# KiCad board Lime_RFE.kicad_pcb (continued)
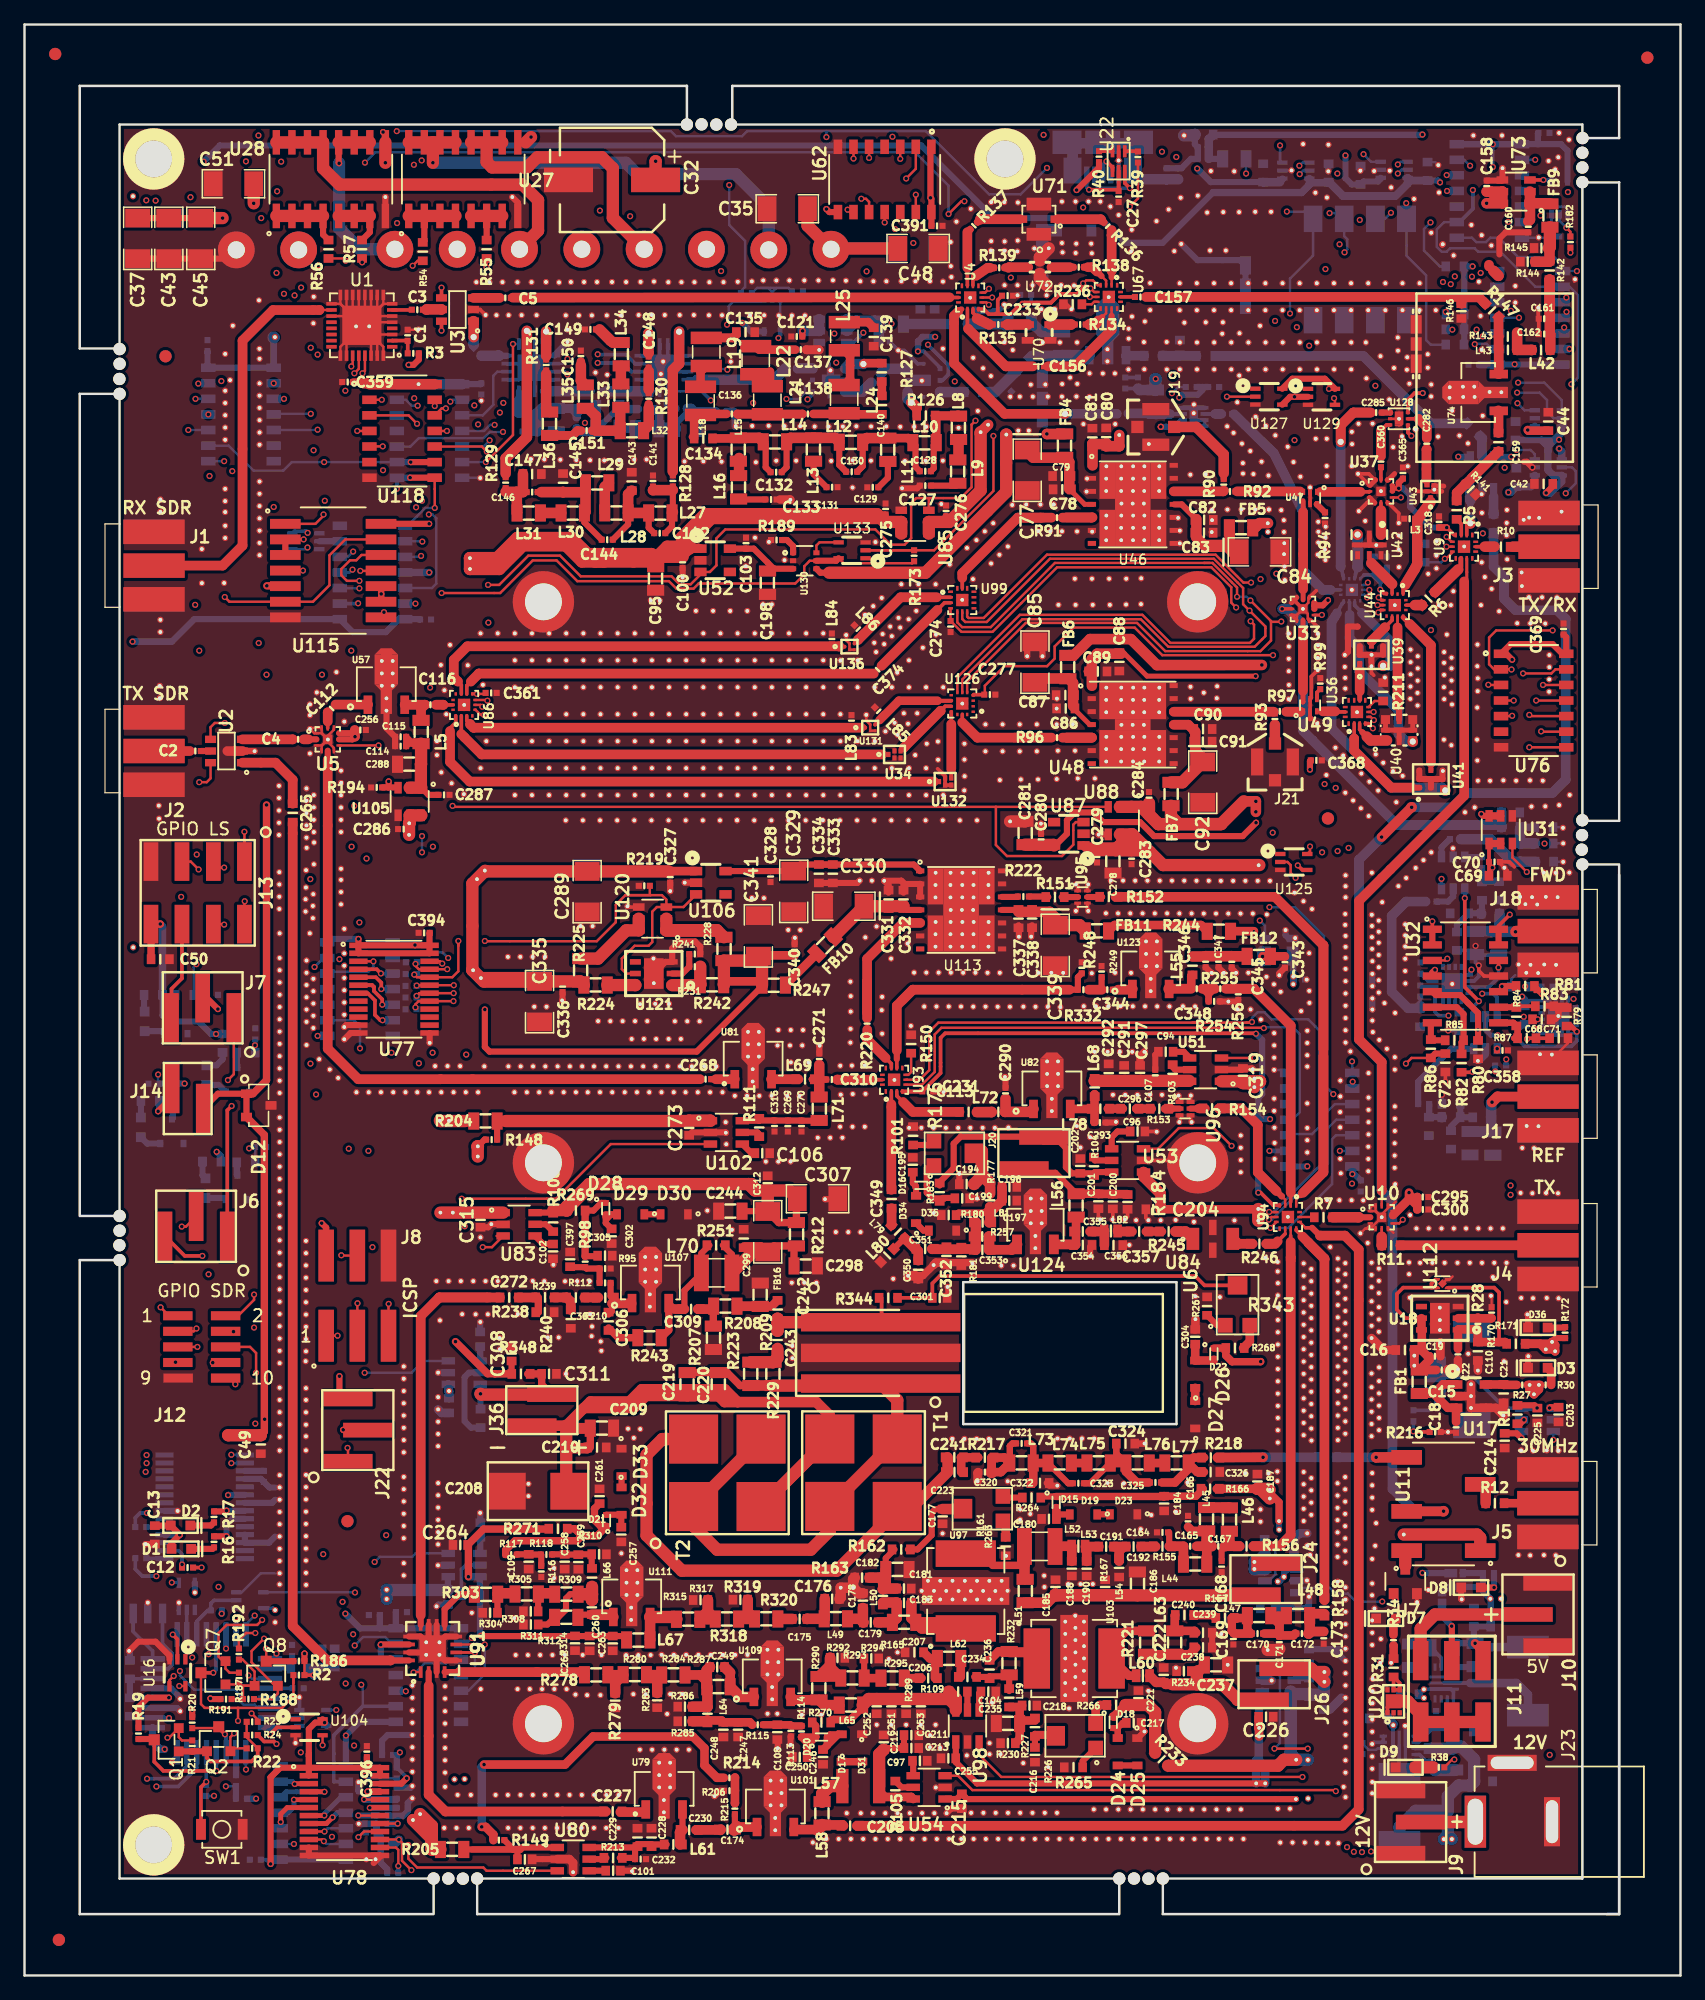
[diagram p0: board, top side]
## Nets (continued)
GND_VIA#1342.1 GND_VIA#1343.1 GND_VIA#1344.1 GND_VIA#1345.1 GND_VIA#1346.1 GND_VIA#1347.1 GND_VIA#1348.1 GND_VIA#1349.1 GND_VIA#1350.1 GND_VIA#1351.1 GND_VIA#1352.1 GND_VIA#1353.1 GND_VIA#1354.1 GND_VIA#1355.1 GND_VIA#1356.1 GND_VIA#1357.1 GND_VIA#1358.1 GND_VIA#1359.1 GND_VIA#1360.1 GND_VIA#1361.1 GND_VIA#1362.1 GND_VIA#1363.1 GND_VIA#1364.1 GND_VIA#1365.1 GND_VIA#1366.1 GND_VIA#1367.1 GND_VIA#1368.1 GND_VIA#1369.1 GND_VIA#1370.1 GND_VIA#1371.1 GND_VIA#1372.1 GND_VIA#1373.1 GND_VIA#1374.1 GND_VIA#1375.1 GND_VIA#1376.1 GND_VIA#1377.1 GND_VIA#1378.1 GND_VIA#1379.1 GND_VIA#1380.1 GND_VIA#1381.1 GND_VIA#1382.1 GND_VIA#1383.1 GND_VIA#1384.1 GND_VIA#1385.1 GND_VIA#1386.1 GND_VIA#1387.1 GND_VIA#1388.1 GND_VIA#1389.1 GND_VIA#1390.1 GND_VIA#1391.1 GND_VIA#1392.1 GND_VIA#1393.1 GND_VIA#1394.1 GND_VIA#1395.1 GND_VIA#1396.1 GND_VIA#1397.1 GND_VIA#1398.1 GND_VIA#1399.1 GND_VIA#1400.1 GND_VIA#1401.1 GND_VIA#1402.1 GND_VIA#1403.1 GND_VIA#1404.1 GND_VIA#1405.1 GND_VIA#1406.1 GND_VIA#1407.1 GND_VIA#1408.1 GND_VIA#1409.1 GND_VIA#1410.1 GND_VIA#1411.1 GND_VIA#1412.1 GND_VIA#1413.1 GND_VIA#1414.1 GND_VIA#1415.1 GND_VIA#1416.1 GND_VIA#1417.1 GND_VIA#1418.1 GND_VIA#1419.1 GND_VIA#1420.1 GND_VIA#1421.1 GND_VIA#1422.1 GND_VIA#1423.1 GND_VIA#1424.1 GND_VIA#1425.1 GND_VIA#1426.1 GND_VIA#1427.1 GND_VIA#1428.1 GND_VIA#1429.1 GND_VIA#1430.1 GND_VIA#1431.1 GND_VIA#1432.1 GND_VIA#1433.1 GND_VIA#1434.1 GND_VIA#1435.1 GND_VIA#1436.1 GND_VIA#1437.1 GND_VIA#1438.1 GND_VIA#1439.1 GND_VIA#1440.1 GND_VIA#1441.1 GND_VIA#1442.1 GND_VIA#1443.1 GND_VIA#1444.1 GND_VIA#1445.1 GND_VIA#1446.1 GND_VIA#1447.1 GND_VIA#1448.1 GND_VIA#1449.1 GND_VIA#1450.1 GND_VIA#1451.1 GND_VIA#1452.1 GND_VIA#1453.1 GND_VIA#1454.1 GND_VIA#1455.1 GND_VIA#1456.1 GND_VIA#1457.1 GND_VIA#1458.1 GND_VIA#1459.1 GND_VIA#1460.1 GND_VIA#1461.1 GND_VIA#1462.1 GND_VIA#1463.1 GND_VIA#1464.1 GND_VIA#1465.1 GND_VIA#1466.1 GND_VIA#1467.1 GND_VIA#1468.1 GND_VIA#1469.1 GND_VIA#1470.1 GND_VIA#1471.1 GND_VIA#1472.1 GND_VIA#1473.1 GND_VIA#1474.1 GND_VIA#1475.1 GND_VIA#1476.1 GND_VIA#1477.1 GND_VIA#1478.1 GND_VIA#1479.1 GND_VIA#1480.1 GND_VIA#1481.1 GND_VIA#1482.1 GND_VIA#1483.1 GND_VIA#1484.1 GND_VIA#1485.1 GND_VIA#1486.1 GND_VIA#1487.1 GND_VIA#1488.1 GND_VIA#1489.1 GND_VIA#1490.1 GND_VIA#1491.1 GND_VIA#1492.1 GND_VIA#1493.1 GND_VIA#1494.1 GND_VIA#1495.1 GND_VIA#1496.1 GND_VIA#1497.1 GND_VIA#1498.1 GND_VIA#1499.1 GND_VIA#1500.1 GND_VIA#1501.1 GND_VIA#1502.1 GND_VIA#1503.1 GND_VIA#1504.1 GND_VIA#1505.1 GND_VIA#1506.1 GND_VIA#1507.1 GND_VIA#1508.1 GND_VIA#1509.1 GND_VIA#1510.1 GND_VIA#1511.1 GND_VIA#1512.1 GND_VIA#1513.1 GND_VIA#1514.1 GND_VIA#1515.1 GND_VIA#1516.1 GND_VIA#1517.1 GND_VIA#1518.1 GND_VIA#1519.1 GND_VIA#1520.1 GND_VIA#1521.1 GND_VIA#1522.1 GND_VIA#1523.1 GND_VIA#1524.1 GND_VIA#1525.1 GND_VIA#1526.1 GND_VIA#1527.1 GND_VIA#1528.1 GND_VIA#1529.1 GND_VIA#1530.1 GND_VIA#1531.1 GND_VIA#1532.1 GND_VIA#1533.1 GND_VIA#1534.1 GND_VIA#1535.1 GND_VIA#1536.1 GND_VIA#1537.1 GND_VIA#1538.1 GND_VIA#1539.1 GND_VIA#1540.1 GND_VIA#1541.1 GND_VIA#1542.1 GND_VIA#1543.1 GND_VIA#1544.1 GND_VIA#1545.1 GND_VIA#1546.1 GND_VIA#1547.1 GND_VIA#1548.1 GND_VIA#1549.1 GND_VIA#1550.1 GND_VIA#1551.1 GND_VIA#1552.1 GND_VIA#1553.1 GND_VIA#1554.1 GND_VIA#1555.1 GND_VIA#1556.1 GND_VIA#1557.1 GND_VIA#1558.1 GND_VIA#1559.1 GND_VIA#1560.1 GND_VIA#1561.1 GND_VIA#1562.1 GND_VIA#1563.1 GND_VIA#1564.1 GND_VIA#1565.1 GND_VIA#1566.1 GND_VIA#1567.1 GND_VIA#1568.1 GND_VIA#1569.1 GND_VIA#1570.1 GND_VIA#1571.1 GND_VIA#1572.1 GND_VIA#1573.1 GND_VIA#1574.1 GND_VIA#1575.1 GND_VIA#1576.1 GND_VIA#1577.1 GND_VIA#1578.1 GND_VIA#1579.1 GND_VIA#1580.1 GND_VIA#1581.1 GND_VIA#1582.1 GND_VIA#1583.1 GND_VIA#1584.1 GND_VIA#1585.1 GND_VIA#1586.1 GND_VIA#1587.1 GND_VIA#1588.1 GND_VIA#1589.1 GND_VIA#1590.1 GND_VIA#1591.1 GND_VIA#1592.1 GND_VIA#1593.1 GND_VIA#1594.1 GND_VIA#1595.1 GND_VIA#1596.1 GND_VIA#1597.1 GND_VIA#1598.1 GND_VIA#1599.1 GND_VIA#1600.1 GND_VIA#1601.1 GND_VIA#1602.1 GND_VIA#1603.1 GND_VIA#1604.1 GND_VIA#1605.1 GND_VIA#1606.1 GND_VIA#1607.1 GND_VIA#1608.1 GND_VIA#1609.1 GND_VIA#1610.1 GND_VIA#1611.1 GND_VIA#1612.1 GND_VIA#1613.1 GND_VIA#1614.1 GND_VIA#1615.1 GND_VIA#1616.1 GND_VIA#1617.1 GND_VIA#1618.1 GND_VIA#1619.1 GND_VIA#1620.1 GND_VIA#1621.1 GND_VIA#1622.1 GND_VIA#1623.1 GND_VIA#1624.1 GND_VIA#1625.1 GND_VIA#1626.1 GND_VIA#1627.1 GND_VIA#1628.1 GND_VIA#1629.1 GND_VIA#1630.1 GND_VIA#1631.1 GND_VIA#1632.1 GND_VIA#1633.1 GND_VIA#1634.1 GND_VIA#1635.1 GND_VIA#1636.1 GND_VIA#1637.1 GND_VIA#1638.1 GND_VIA#1639.1 GND_VIA#1640.1 GND_VIA#1641.1 GND_VIA#1642.1 GND_VIA#1643.1 GND_VIA#1644.1 GND_VIA#1645.1 GND_VIA#1646.1 GND_VIA#1647.1 GND_VIA#1648.1 GND_VIA#1649.1 GND_VIA#1650.1 GND_VIA#1651.1 GND_VIA#1652.1 GND_VIA#1653.1 GND_VIA#1654.1 GND_VIA#1655.1 GND_VIA#1656.1 GND_VIA#1657.1 GND_VIA#1658.1 GND_VIA#1659.1 GND_VIA#1660.1 GND_VIA#1661.1 GND_VIA#1662.1 GND_VIA#1663.1 GND_VIA#1664.1 GND_VIA#1665.1 GND_VIA#1666.1 GND_VIA#1667.1 GND_VIA#1668.1 GND_VIA#1669.1 GND_VIA#1670.1 GND_VIA#1671.1 GND_VIA#1672.1 GND_VIA#1673.1 GND_VIA#1674.1 GND_VIA#1675.1 GND_VIA#1676.1 GND_VIA#1677.1 GND_VIA#1678.1 GND_VIA#1679.1 GND_VIA#1680.1 GND_VIA#1681.1 GND_VIA#1682.1 GND_VIA#1683.1 GND_VIA#1684.1 GND_VIA#1685.1 GND_VIA#1686.1 GND_VIA#1687.1 GND_VIA#1688.1 GND_VIA#1689.1 GND_VIA#1690.1 GND_VIA#1691.1 GND_VIA#1692.1 GND_VIA#1693.1 GND_VIA#1694.1 GND_VIA#1695.1 GND_VIA#1696.1 GND_VIA#1697.1 GND_VIA#1698.1 GND_VIA#1699.1 GND_VIA#1700.1 GND_VIA#1701.1 GND_VIA#1702.1 GND_VIA#1703.1 GND_VIA#1704.1 GND_VIA#1705.1 GND_VIA#1706.1 GND_VIA#1707.1 GND_VIA#1708.1 GND_VIA#1709.1 GND_VIA#1710.1 GND_VIA#1711.1 GND_VIA#1712.1 GND_VIA#1713.1 GND_VIA#1714.1 GND_VIA#1715.1 GND_VIA#1716.1 GND_VIA#1717.1 GND_VIA#1718.1 GND_VIA#1719.1 GND_VIA#1720.1 GND_VIA#1721.1 GND_VIA#1722.1 GND_VIA#1723.1 GND_VIA#1724.1 GND_VIA#1725.1 GND_VIA#1726.1 GND_VIA#1727.1 GND_VIA#1728.1 GND_VIA#1729.1 GND_VIA#1730.1 GND_VIA#1731.1 GND_VIA#1732.1 GND_VIA#1733.1 GND_VIA#1734.1 GND_VIA#1735.1 GND_VIA#1736.1 GND_VIA#1737.1 GND_VIA#1738.1 GND_VIA#1739.1 GND_VIA#1740.1 GND_VIA#1741.1 GND_VIA#1742.1 GND_VIA#1743.1 GND_VIA#1744.1 GND_VIA#1745.1 GND_VIA#1746.1 GND_VIA#1747.1 GND_VIA#1748.1 GND_VIA#1749.1 GND_VIA#1750.1 GND_VIA#1751.1 GND_VIA#1752.1 GND_VIA#1753.1 GND_VIA#1754.1 GND_VIA#1755.1 GND_VIA#1756.1 GND_VIA#1757.1 GND_VIA#1758.1 GND_VIA#1759.1 GND_VIA#1760.1 GND_VIA#1761.1 GND_VIA#1762.1 GND_VIA#1763.1 GND_VIA#1764.1 GND_VIA#1765.1 GND_VIA#1766.1 GND_VIA#1767.1 GND_VIA#1768.1 GND_VIA#1769.1 GND_VIA#1770.1 GND_VIA#1771.1 GND_VIA#1772.1 GND_VIA#1773.1 GND_VIA#1774.1 GND_VIA#1775.1 GND_VIA#1776.1 GND_VIA#1777.1 GND_VIA#1778.1 GND_VIA#1779.1 GND_VIA#1780.1 GND_VIA#1781.1 GND_VIA#1782.1 GND_VIA#1783.1 GND_VIA#1784.1 GND_VIA#1785.1 GND_VIA#1786.1 GND_VIA#1787.1 GND_VIA#1788.1 GND_VIA#1789.1 GND_VIA#1790.1 GND_VIA#1791.1 GND_VIA#1792.1 GND_VIA#1793.1 GND_VIA#1794.1 GND_VIA#1795.1 GND_VIA#1796.1 GND_VIA#1797.1 GND_VIA#1798.1 GND_VIA#1799.1 GND_VIA#1800.1 GND_VIA#1801.1 GND_VIA#1802.1 GND_VIA#1803.1 GND_VIA#1804.1 GND_VIA#1805.1 GND_VIA#1806.1 GND_VIA#1807.1 GND_VIA#1808.1 GND_VIA#1809.1 GND_VIA#1810.1 GND_VIA#1811.1 GND_VIA#1812.1 GND_VIA#1813.1 GND_VIA#1814.1 GND_VIA#1815.1 GND_VIA#1816.1 GND_VIA#1817.1 GND_VIA#1818.1 GND_VIA#1819.1 GND_VIA#1820.1 GND_VIA#1821.1 GND_VIA#1822.1 GND_VIA#1823.1 GND_VIA#1825.1 GND_VIA#1826.1 GND_VIA#1827.1 GND_VIA#1828.1 GND_VIA#1829.1 GND_VIA#1830.1 GND_VIA#1831.1 GND_VIA#1832.1 GND_VIA#1833.1 GND_VIA#1834.1 GND_VIA#1835.1 GND_VIA#1836.1 GND_VIA#1837.1 GND_VIA#1838.1 GND_VIA#1839.1 GND_VIA#1840.1 GND_VIA#1841.1 GND_VIA#1842.1 GND_VIA#1843.1 GND_VIA#1844.1 GND_VIA#1845.1 GND_VIA#1846.1 GND_VIA#1847.1 GND_VIA#1848.1 GND_VIA#1849.1 GND_VIA#1850.1 GND_VIA#1851.1 GND_VIA#1852.1 GND_VIA#1853.1 GND_VIA#1854.1 GND_VIA#1855.1 GND_VIA#1856.1 GND_VIA#1857.1 GND_VIA#1858.1 GND_VIA#1859.1 GND_VIA#1860.1 GND_VIA#1861.1 GND_VIA#1862.1 GND_VIA#1863.1 GND_VIA#1864.1 GND_VIA#1865.1 GND_VIA#1866.1 GND_VIA#1867.1 GND_VIA#1868.1 GND_VIA#1869.1 GND_VIA#1870.1 GND_VIA#1871.1 GND_VIA#1872.1 GND_VIA#1873.1 GND_VIA#1874.1 GND_VIA#1875.1 GND_VIA#1876.1 GND_VIA#1877.1 GND_VIA#1878.1 GND_VIA#1879.1 GND_VIA#1880.1 GND_VIA#1881.1 GND_VIA#1882.1 GND_VIA#1883.1 GND_VIA#1884.1 GND_VIA#1885.1 GND_VIA#1886.1 GND_VIA#1887.1 GND_VIA#1888.1 GND_VIA#1891.1 GND_VIA#1892.1 GND_VIA#1893.1 GND_VIA#1894.1 GND_VIA#1895.1 GND_VIA#1896.1 GND_VIA#1897.1 GND_VIA#1898.1 GND_VIA#1899.1 GND_VIA#1900.1 GND_VIA#1901.1 GND_VIA#1902.1 GND_VIA#1903.1 GND_VIA#1904.1 GND_VIA#1905.1 GND_VIA#1906.1 GND_VIA#1907.1 GND_VIA#1908.1 GND_VIA#1909.1 GND_VIA#1910.1 GND_VIA#1911.1 GND_VIA#1912.1 GND_VIA#1913.1 GND_VIA#1914.1 GND_VIA#1915.1 GND_VIA#1916.1 GND_VIA#1917.1 GND_VIA#1918.1 GND_VIA#1919.1 GND_VIA#1920.1 GND_VIA#1924.1 GND_VIA#1925.1 GND_VIA#1926.1 GND_VIA#1927.1 GND_VIA#1928.1 GND_VIA#1929.1 GND_VIA#1930.1 GND_VIA#1931.1 GND_VIA#1932.1 GND_VIA#1933.1 GND_VIA#1934.1 GND_VIA#1935.1 GND_VIA#1936.1 GND_VIA#1937.1 GND_VIA#1938.1 GND_VIA#1939.1 GND_VIA#1940.1 GND_VIA#1941.1 GND_VIA#1942.1 GND_VIA#1943.1 GND_VIA#1944.1 GND_VIA#1945.1 GND_VIA#1946.1 GND_VIA#1947.1 GND_VIA#1948.1 GND_VIA#1949.1 GND_VIA#1950.1 GND_VIA#1951.1 GND_VIA#1952.1 GND_VIA#1953.1 GND_VIA#1954.1 GND_VIA#1955.1 GND_VIA#1956.1 GND_VIA#1957.1 GND_VIA#1958.1 GND_VIA#1959.1 GND_VIA#1960.1 GND_VIA#1961.1 GND_VIA#1962.1 GND_VIA#1963.1 GND_VIA#1964.1 GND_VIA#1965.1 GND_VIA#1966.1 GND_VIA#1967.1 GND_VIA#1968.1 GND_VIA#1969.1 GND_VIA#1970.1 GND_VIA#1971.1 GND_VIA#1972.1 GND_VIA#1973.1 GND_VIA#1974.1 GND_VIA#1975.1 GND_VIA#1976.1 GND_VIA#1977.1 GND_VIA#1978.1 GND_VIA#1979.1 GND_VIA#1980.1 GND_VIA#1981.1 GND_VIA#1982.1 GND_VIA#1983.1 GND_VIA#1984.1 GND_VIA#1985.1 GND_VIA#1986.1 GND_VIA#1987.1 GND_VIA#1988.1 GND_VIA#1989.1 GND_VIA#1990.1 GND_VIA#1991.1 GND_VIA#1992.1 GND_VIA#1993.1 GND_VIA#1994.1 GND_VIA#1995.1 GND_VIA#1996.1 GND_VIA#1997.1 GND_VIA#1998.1 GND_VIA#1999.1 GND_VIA#2000.1 GND_VIA#2001.1 GND_VIA#2002.1 GND_VIA#2003.1 GND_VIA#2004.1 GND_VIA#2005.1 GND_VIA#2006.1 GND_VIA#2007.1 GND_VIA#2008.1 GND_VIA#2009.1 GND_VIA#2010.1 GND_VIA#2011.1 GND_VIA#2012.1 GND_VIA#2013.1 GND_VIA#2014.1 GND_VIA#2015.1 GND_VIA#2016.1 GND_VIA#2017.1 GND_VIA#2018.1 GND_VIA#2019.1 GND_VIA#2020.1 GND_VIA#2021.1 GND_VIA#2022.1 GND_VIA#2023.1 GND_VIA#2024.1 GND_VIA#2025.1 GND_VIA#2026.1 GND_VIA#2027.1 GND_VIA#2028.1 GND_VIA#2029.1 GND_VIA#2030.1 GND_VIA#2031.1 GND_VIA#2032.1 GND_VIA#2033.1 GND_VIA#2034.1 GND_VIA#2035.1 GND_VIA#2036.1 GND_VIA#2037.1 GND_VIA#2038.1 GND_VIA#2039.1 GND_VIA#2040.1 GND_VIA#2041.1 GND_VIA#2042.1 GND_VIA#2043.1 GND_VIA#2044.1 GND_VIA#2045.1 GND_VIA#2046.1 GND_VIA#2047.1 GND_VIA#2048.1 GND_VIA#2049.1 GND_VIA#2050.1 GND_VIA#2051.1 GND_VIA#2052.1 GND_VIA#2053.1 GND_VIA#2054.1 GND_VIA#2055.1 GND_VIA#2056.1 GND_VIA#2057.1 GND_VIA#2058.1 GND_VIA#2059.1 GND_VIA#2060.1 GND_VIA#2061.1 GND_VIA#2062.1 GND_VIA#2063.1 GND_VIA#2064.1 GND_VIA#2065.1 GND_VIA#2066.1 GND_VIA#2067.1 GND_VIA#2068.1 GND_VIA#2069.1 GND_VIA#2070.1 GND_VIA#2071.1 GND_VIA#2072.1 GND_VIA#2073.1 GND_VIA#2074.1 GND_VIA#2075.1 GND_VIA#2076.1 GND_VIA#2077.1 GND_VIA#2078.1 GND_VIA#2079.1 GND_VIA#2080.1 GND_VIA#2081.1 GND_VIA#2082.1 GND_VIA#2083.1 GND_VIA#2084.1 GND_VIA#2085.1 GND_VIA#2086.1 GND_VIA#2087.1 GND_VIA#2088.1 GND_VIA#2089.1 GND_VIA#2090.1 GND_VIA#2091.1 GND_VIA#2092.1 GND_VIA#2093.1 GND_VIA#2094.1 GND_VIA#2095.1 GND_VIA#2096.1 GND_VIA#2097.1 GND_VIA#2098.1 GND_VIA#2099.1 GND_VIA#2100.1 GND_VIA#2101.1 GND_VIA#2102.1 GND_VIA#2103.1 GND_VIA#2104.1 GND_VIA#2105.1 GND_VIA#2106.1 GND_VIA#2107.1 GND_VIA#2108.1 GND_VIA#2109.1 GND_VIA#2110.1 GND_VIA#2111.1 GND_VIA#2112.1 GND_VIA#2113.1 GND_VIA#2114.1 GND_VIA#2115.1 GND_VIA#2116.1 GND_VIA#2117.1 GND_VIA#2118.1 GND_VIA#2119.1 GND_VIA#2120.1 GND_VIA#2121.1 GND_VIA#2122.1 GND_VIA#2123.1 GND_VIA#2124.1 GND_VIA#2125.1 GND_VIA#2126.1 GND_VIA#2127.1 GND_VIA#2128.1 GND_VIA#2129.1 GND_VIA#2130.1 GND_VIA#2131.1 GND_VIA#2132.1 GND_VIA#2133.1 GND_VIA#2134.1 GND_VIA#2135.1 GND_VIA#2136.1 GND_VIA#2137.1 GND_VIA#2138.1 GND_VIA#2139.1 GND_VIA#2140.1 GND_VIA#2141.1 GND_VIA#2142.1 GND_VIA#2143.1 GND_VIA#2144.1 GND_VIA#2145.1 GND_VIA#2146.1 GND_VIA#2147.1 GND_VIA#2148.1 GND_VIA#2149.1 GND_VIA#2150.1 GND_VIA#2151.1 GND_VIA#2152.1 GND_VIA#2153.1 GND_VIA#2154.1 GND_VIA#2155.1 GND_VIA#2156.1 GND_VIA#2157.1 GND_VIA#2158.1 GND_VIA#2159.1 GND_VIA#2160.1 GND_VIA#2161.1 GND_VIA#2162.1 GND_VIA#2163.1 GND_VIA#2164.1 GND_VIA#2165.1 GND_VIA#2166.1 GND_VIA#2167.1 GND_VIA#2168.1 GND_VIA#2169.1 GND_VIA#2170.1 GND_VIA#2171.1 GND_VIA#2172.1 GND_VIA#2173.1 GND_VIA#2174.1 GND_VIA#2175.1 GND_VIA#2176.1 GND_VIA#2177.1 GND_VIA#2178.1 GND_VIA#2179.1 GND_VIA#2180.1 GND_VIA#2181.1 GND_VIA#2182.1 GND_VIA#2183.1 GND_VIA#2184.1 GND_VIA#2185.1 GND_VIA#2186.1 GND_VIA#2187.1 GND_VIA#2188.1 GND_VIA#2189.1 GND_VIA#2190.1 GND_VIA#2191.1 GND_VIA#2192.1 GND_VIA#2193.1 GND_VIA#2194.1 GND_VIA#2195.1 GND_VIA#2196.1 GND_VIA#2197.1 GND_VIA#2198.1 GND_VIA#2199.1 GND_VIA#2200.1 GND_VIA#2201.1 GND_VIA#2202.1 GND_VIA#2203.1 GND_VIA#2204.1 GND_VIA#2205.1 GND_VIA#2206.1 GND_VIA#2207.1 GND_VIA#2208.1 GND_VIA#2209.1 GND_VIA#2210.1 GND_VIA#2211.1 GND_VIA#2212.1 GND_VIA#2213.1 GND_VIA#2214.1 GND_VIA#2215.1 GND_VIA#2216.1 GND_VIA#2217.1 GND_VIA#2218.1 GND_VIA#2219.1 GND_VIA#2220.1 GND_VIA#2221.1 GND_VIA#2222.1 GND_VIA#2223.1 GND_VIA#2224.1 GND_VIA#2225.1 GND_VIA#2226.1 GND_VIA#2227.1 GND_VIA#2228.1 GND_VIA#2229.1 GND_VIA#2230.1 GND_VIA#2231.1 GND_VIA#2232.1 GND_VIA#2233.1 GND_VIA#2234.1 GND_VIA#2235.1 GND_VIA#2236.1 GND_VIA#2237.1 GND_VIA#2238.1 GND_VIA#2239.1 GND_VIA#2240.1 GND_VIA#2241.1 GND_VIA#2242.1 GND_VIA#2243.1 GND_VIA#2244.1 GND_VIA#2245.1 GND_VIA#2246.1 GND_VIA#2247.1 GND_VIA#2248.1 GND_VIA#2249.1 GND_VIA#2250.1 GND_VIA#2251.1 GND_VIA#2252.1 GND_VIA#2253.1 GND_VIA#2254.1 GND_VIA#2255.1 GND_VIA#2256.1 GND_VIA#2257.1 GND_VIA#2258.1 GND_VIA#2259.1 GND_VIA#2260.1 GND_VIA#2261.1 GND_VIA#2262.1 GND_VIA#2263.1 GND_VIA#2264.1 GND_VIA#2265.1 GND_VIA#2266.1 GND_VIA#2267.1 GND_VIA#2268.1 GND_VIA#2269.1 GND_VIA#2270.1 GND_VIA#2271.1 GND_VIA#2272.1 GND_VIA#2273.1 GND_VIA#2274.1 GND_VIA#2275.1 GND_VIA#2276.1 GND_VIA#2277.1 GND_VIA#2278.1 GND_VIA#2279.1 GND_VIA#2280.1 GND_VIA#2281.1 GND_VIA#2282.1 GND_VIA#2283.1 GND_VIA#2284.1 GND_VIA#2285.1 GND_VIA#2286.1 GND_VIA#2287.1 GND_VIA#2288.1 GND_VIA#2289.1 GND_VIA#2290.1 GND_VIA#2291.1 GND_VIA#2292.1 GND_VIA#2293.1 GND_VIA#2294.1 GND_VIA#2295.1 GND_VIA#2296.1 GND_VIA#2297.1 GND_VIA#2298.1 GND_VIA#2299.1 GND_VIA#2300.1 GND_VIA#2301.1 GND_VIA#2302.1 GND_VIA#2303.1 GND_VIA#2304.1 GND_VIA#2305.1 GND_VIA#2306.1 GND_VIA#2307.1 GND_VIA#2308.1 GND_VIA#2309.1 GND_VIA#2310.1 GND_VIA#2311.1 IC1.10 IC2.10 J1.2 J1.3 J1.4 J1.5 J2.2 J2.3 J2.4 J2.5 J3.2 J3.3 J3.4 J3.5 J4.2 J4.3 J4.4 J4.5 J5.2 J5.3 J5.4 J5.5 J8.6 J9.1 J9.3 J10.1 J10.3 J12.9 J13.4 J15.1 J17.2 J17.3 J17.4 J17.5 J18.2 J18.3 J18.4 J18.5 J19.2 J19.3 J19.4 J21.2 J21.3 J21.4 J23.2 L3.2 L37.2 L41.2 L54.2 L80.2 L83.1 L84.1 L85.1 L86.1 P1.1 P1.4 P1.5 Q3.2 Q4.2 Q5.2 Q6.2 R9.2 R26.1 R33.1 R41.2 R42.2 R43.2 R44.2 R45.2 R62.2 R63.2 R64.2 R65.2 R66.2 R70.2 R71.2 R72.2 R76.2 R77.2 R79.1 R80.1 R83.1 R88.1 R94.2 R95.2 R99.2 R101.1 R113.1 R116.1 R120.1 R122.1 R123.1 R124.1 R140.2 R141.1 R144.1 R145.1 R146.1 R150.2 R159.1 R160.1 R163.1 R164.1 R167.2 R169.1 R170.1 R178.2 R180.1 R181.1 R184.2 R185.2 R189.2 R194.1 R195.1 R196.1 R197.1 R198.1 R199.1 R200.1 R201.1 R202.1 R203.1 R206.2 R207.1 R209.1 R211.2 R216.1 R219.1 R230.1 R234.2 R236.2 R238.1 R240.1 R241.1 R248.2 R249.2 R254.2 R256.2 R263.1 R265.1 R267.1 R279.1 R283.1 R285.1 R286.1 R289.2 R292.1 R294.1 R304.1 R308.1 R310.1 R311.1 R314.2 R317.1 R319.1 Ref**. Ref**#2. Ref**#3. Ref**#4. SW1.1 SW2.5 SW2.6 SW2.7 SW2.8 U1.3 U1.5 U1.6 U1.8 U1.9 U1.10 U1.11 U1.12 U1.13 U1.14 U1.15 U1.16 U1.17 U1.19 U1.25 U1.26 U1.30 U1.31 U1.32 U1.33 U2.2 U3.2 U4.15 U5.1 U5.3 U5.4 U5.6 U5.10 U5.12 U6.2 U7.3 U8.2 U9.15 U10.1 U10.3 U10.4 U10.6 U10.10 U10.12 U12.3 U12.5 U12.21 U13.7 U13.18 U13.21 U13.25 U13.26 U14.3 U15.3 U16.3 U17.2 U17.4 U18.3 U18.7 U19.3 U19.4 U19.10 U19.11 U20.2 U20.6 U21.3 U21.4 U21.10 U21.11 U22.2 U23.2 U24.2 U25.2 U26.2 U27.8 U28.8 U29.2 U30.2 U31.4 U32.11 U33.1 U33.3 U33.4 U33.6 U33.10 U33.12 U34.2 U34.3 U34.5 U35.15 U36.15 U37.1 U37.3 U37.4 U37.6 U37.10 U37.12 U39.2 U39.4 U39.5 U39.7 U39.8 U40.2 U40.4 U40.5 U40.7 U40.8 U41.2 U41.4 U41.5 U41.7 U41.8 U42.2 U42.4 U42.5 U42.7 U42.8 U43.2 U43.3 U43.5 U44.15 U45.1 U45.3 U45.4 U45.5 U45.8 U45.9 U46.2 U46.3 U46.6 U46.8 U46.9 U46.10 U46.13 U46.14 U46.15 U47.2 U47.5 U48.2 U48.3 U48.6 U48.8 U48.9 U48.10 U48.13 U48.14 U48.15 U49.2 U49.5 U50.2 U51.2 U52.2 U53.2 U54.2 U55.2 U56.2 U57.2 U58.3 U58.5 U58.8 U58.10 U58.11 U58.13 U58.15 U59.3 U59.5 U59.8 U59.10 U59.11 U59.13 U59.15 U60.7 U61.2 U62.7 U63.2 U64.3 U65.4 U66.2 U66.4 U67.15 U68.7 U69.3 U70.3 U70.4 U71.3 U71.4 U72.1 U72.3 U73.4 U74.2 U74.4 U75.7 U76.7 U77.11 U77.12 U77.13 U78.11 U78.12 U78.13 U79.2 U80.2 U81.2 U82.2 U83.2 U84.2 U84.4 U85.4 U86.15 U87.2 U88.4 U89.7 U90.7 U91.3 U91.5 U91.8 U91.10 U91.11 U91.13 U91.15 U92.7 U93.15 U94.15 U95.1 U95.3 U95.4 U95.6 U96.1 U96.3 U96.4 U96.6 U97.3 U98.2 U99.15 U100.2 U101.2 U102.2 U103.3 U104.3 U105.4 U106.2 U107.2 U108.3 U109.2 U110.2 U111.2 U112.2 U113.2 U113.3 U113.6 U113.8 U113.9 U113.10 U113.13 U113.14 U113.15 U114.3 U115.7 U116.7 U117.7 U118.7 U119.7 U120.4 U121.3 U121.7 U122.4 U123.2 U123.4 U124.2 U125.3 U126.15 U127.3 U128.5 U129.3 U130.2 U131.2 U131.3 U131.5 U132.2 U132.3 U132.5 U133.3 U136.2 U136.3 U136.5 U?.1 U?#2.1 X1.2
VDD_I2C: C33.1 C36.1 C40.1 C44.1 C49.1 D12.1 D12.2 J12.10 J14.2 R24.1 R58.2 R59.2 R60.2 R61.2 R192.1 U23.1 U24.1 U25.1 U26.1
VDDA: C34.1 C38.1 C42.1 C46.1 C50.1 J13.5 J14.1 R48.2 R49.2 R52.2 R53.2 U23.6 U24.6 U25.6 U26.6
/30MHz_RELAY_CTR: U7.2 U12.25
/30MHz_RX: C313.1 U11.7
/30MHz_TX: R8.1 U11.5
/ATTEN0: U1.29 U116.3
/ATTEN1: U1.28 U116.4
/ATTEN2: U1.27 U116.5
/BAND38_TX_ENn: R4.1 R100.1 R173.2 U127.2 U133.2
/Cell/BAND38_RX: C285.2 TRANS_VIA#7.1 U35.1
/Cell/BAND38_TX: C360.2 U37.11
/Cell/BAND38_TXRX: C282.1 U43.4
/Cell/CELL_PREDRIVER/OUT: C116.2 U86.13
/Cell/LNA/IN: C73.1 U35.13
/Cell/LNA_PD_2V5: R89.1 U118.10
/Cell/PA1_CPL: U33.11 U47.4
/Cell/PA1_EN_2V5: U52.3 U85.3 U118.3
/Cell/PA2_CPL: U33.5 U49.6
/Cell/PA2_EN_2V5: U87.3 U88.3 U118.4
/Cell/PA_1_2_3/IN: R96.2 U126.13
/Cell/PA_1_2_3/OUT: U36.13 U49.3
/Cell/PA_1_2_3/VREF: C88.1 C89.1 C280.1 C281.1 U48.1 U87.5
/Cell/PA_7_38/IN: R91.2 U99.13
/Cell/PA_7_38/OUT: U37.2 U47.1
/Cell/PA_7_38/VREF: C80.1 C81.1 GND_VIA#1022.1 GND_VIA#1023.1 U46.1 U130.4
/Cell/PRED_EN_2V5: R194.2 U105.3 U118.5
/Cell/RX: C76.2 TRANS_VIA#13.1 U4.1
/Cell/SW1_V1_2V5: U44.7 U76.10
/Cell/SW1_V2_2V5: U44.6 U76.11
/Cell/SW1_V3_2V5: U44.5 U76.12
/Cell/SW2_CTRL_2V5: U37.7 U76.2 U119.13
/Cell/SW3_V2_2V5: U36.6 U76.4
/Cell/SW3_V3_2V5: U36.5 U76.5
/Cell/SW4_V1_2V5: U35.7 U119.10
/Cell/SW4_V2_2V5: U35.6 U119.12
/Cell/SW4_V3_2V5: U35.5 U119.11
/Cell/SW5_V1_2V5: U86.7 U118.13 U119.2
/Cell/SW5_V2_2V5: U86.6 U118.12
/Cell/SW5_V3_2V5: U86.5 U118.11
/Cell/SW6_V1_2V5: U99.7 U119.5 U126.7
/Cell/SW6_V2_2V5: U99.6 U119.4 U126.6
/Cell/SW6_V3_2V5: U99.5 U119.3 U126.5
/Cell/SW_CPL_CTRL_2V5: U33.7 U76.3
/Cell/TDD_SW_V1: U127.4 U128.1 U129.2
/Cell/TDD_SW_V2: U128.3 U129.4
/Cell/TX: C112.1 U5.11
/Cell/TXRX: R6.2 U44.13
/CPL: R65.1 R68.1 U33.2
/DATA1: U15.4 U116.2
/DATA2: U68.2 U117.13
/DATA3: U60.2 U68.13
/DATA4: U62.13 U118.2
/DATA5: U76.13 U90.2
/DATA_CLK: U16.4 U60.8 U62.8 U68.8 U75.8 U76.8 U89.8 U90.8 U92.8 U116.8 U117.8 U118.8 U119.8
/DATA_RESET: U14.4 U60.9 U62.9 U68.9 U75.9 U76.9 U89.9 U90.9 U92.9 U116.9 U117.9 U118.9 U119.9
/FAN/FAN_POWER_5V: C225.1 P1.2 R1.2 U110.6
/FAN_EN: U89.10 U110.3
/FAN_SENSE: R216.2 R235.2 U12.2
/GAMMA_DB: C72.1 J7.1 R86.2
/GPIO4: J12.5 Q8.S R188.1
/GPIO5: J12.6 J22.1 Q7.S R187.1
/GPIO_ADC1: J6.3 J13.3
/GPIO_ADC2: J7.3 J13.6
/GPIO_Subsystem/DIR_GPIO0: R58.1 SW2.1 U23.5
/GPIO_Subsystem/DIR_GPIO1: R59.1 SW2.2 U24.5
/GPIO_Subsystem/DIR_GPIO2: R60.1 SW2.3 U25.5
/GPIO_Subsystem/DIR_GPIO3: R61.1 SW2.4 U26.5
/GPIO_Subsystem/GPIO0: J12.1 R42.1 R46.2 R54.2 U23.3
/GPIO_Subsystem/GPIO0_LS: J13.1 U23.4
/GPIO_Subsystem/GPIO1: J12.2 R43.1 R50.2 R55.2 U24.3
/GPIO_Subsystem/GPIO1_LS: J13.8 U24.4
/GPIO_Subsystem/GPIO2: J12.3 R44.1 R47.2 R56.2 U25.3
/GPIO_Subsystem/GPIO2_LS: J13.2 U25.4
/GPIO_Subsystem/GPIO3: J22.2 R45.1 R51.2 R57.2 U26.3
/GPIO_Subsystem/GPIO3_CONN: J12.4 J22.3
/GPIO_Subsystem/GPIO3_LS: J13.7 U26.4
/GPIO_Subsystem/RELAY_0: J16.7 U27.13 U27.14 U27.15 U27.16
/GPIO_Subsystem/RELAY_1: J16.5 U27.10 U27.11 U27.12
/GPIO_Subsystem/RELAY_2: J16.3 U28.13 U28.14 U28.15 U28.16
/GPIO_Subsystem/RELAY_3: J16.1 U28.10 U28.11 U28.12
/LNA_EN: R175.1 R182.1 U12.1
/MCU/DATA_5V: U12.10 U15.2
/MCU/DATA_CLK_5V: U12.9 U16.2
/MCU/DATA_RESET_5V: R18.1 U12.11 U14.2
/MCU/GPIO4_MCU: Q8.D R186.1 U12.14
/MCU/GPIO5_MCU: Q7.D R2.1 R100.2 U12.13
/MCU/MISO: J8.1 U12.16
/MCU/MOSI: J8.4 U12.15
/MCU/RESET: C12.1 J8.5 R13.2 SW1.2 U12.29
/MCU/RX: R15.1 U13.1
/MCU/RX_SW_0_MCU: U12.24 U104.2
/MCU/RX_SW_1_MCU: U12.23 U108.2
/MCU/SCK: J8.3 U12.17
/MCU/SCL_MCU: Q1.D R19.1 U12.28
/MCU/SDA_MCU: Q2.D R20.1 U12.27
/MCU/TX: R14.1 U13.5
/PA_ENn: R168.1 U12.32
/PFWDF_DB: C71.1 J6.1 R87.2
/RX_H/f4/IN: R134.2 U67.9
/RX_H/f5/IN: R136.2 U67.2
/RX_H/f6/IN: R138.2 U67.3
/RX_H/FSEL_OUT_V2_2V5: U67.5 U68.12
/RX_H/FSEL_OUT_V3_2V5: U67.6 U68.11
/RX_H/LNA_EN_2V5: U68.5 U69.1
/RX_H/LNA_H/LNA_EN: U69.4 U73.3
/RX_H/LNA_H/RF_OUT: C157.2 R146.2 R147.1
/RX_H/RF_0_OUT: R137.1 U4.10
/RX_H/RF_1_OUT: R139.1 U4.9
/RX_H/RF_2_OUT: R135.1 U4.3
/RX_H/RF_3_OUT: C156.1 U4.2
/RX_H/RF_IN: C159.2 R5.2 R141.2
/RX_L/f1/IN: R128.1 TRANS_VIA#9.1 U59.12
/RX_L/f1/OUT: R129.2 TRANS_VIA#12.1 U58.2
/RX_L/f2/IN: R130.1 TRANS_VIA#10.1 U59.9
/RX_L/f2/OUT: R131.2 TRANS_VIA#11.1 U58.4
/RX_L/f3/IN: R132.1 U59.2
/RX_L/f3/OUT: R133.2 U58.12
/RX_L/FSEL_IN_V1_2V5: U58.1 U60.6
/RX_L/FSEL_IN_V2_2V5: U58.6 U60.4
/RX_L/FSEL_IN_V3_2V5: U58.7 U60.5
/RX_L/FSEL_IN_V4_2V5: U58.14 U60.3
/RX_L/FSEL_OUT_V1_2V5: U59.1 U62.5
/RX_L/FSEL_OUT_V2_2V5: U59.6 U62.11
/RX_L/FSEL_OUT_V3_2V5: U59.7 U62.10
/RX_L/FSEL_OUT_V4_2V5: U59.14 U62.6
/RX_L/LNA_EN_2V5: U60.10 U64.1
/RX_L/LNA_L/LNA_EN: U64.4 U65.3
/RX_L/LNA_L/RF_OUT: R125.1 U63.6
/RX_L/Notch/IN: R126.2 TRANS_VIA.1 U63.1
/RX_L/Notch/OUT: R127.1 TRANS_VIA#2.1 U61.1
/RX_L/NOTCH_2V5: U61.5 U62.3 U63.5
/RX_L/RF_L_IN: C294.1 R119.2
/RX_L/RF_L_OUT: C117.1 U58.16
/SCL: J12.7 Q1.S R21.1
/SDA: J12.8 Q2.S R22.1
/SW1_A: U3.6 U115.4
/SW1_B: U3.4 U115.2 U115.3
/SW2_V1: U4.7 U117.3
/SW2_V2: U4.6 U117.4
/SW2_V3: U4.5 U117.5
/SW3_A: U2.6 U115.12
/SW3_B: U2.4 U115.6 U115.13
/SW4_CTRL: U5.7 U116.10
/SW5_A: U8.6 U115.8
/SW5_B: U8.4 U115.9 U115.10
/SW6_V2: U9.6 U104.4
/SW6_V3: U9.5 U108.4
/SW7_CTRL: U10.7 U117.11
/SWR_EN: U31.3 U117.10
/SWR_Meter_Subsystem/SW_A: U29.6 U30.6 U125.4
/SWR_Meter_Subsystem/SW_B: U29.4 U30.4 U114.4 U125.2
/SWR_SW_A: U114.2 U116.6
/TOP_CTR_1/SW1_2V5: U115.1 U116.12
/TOP_CTR_1/SW3_2V5: U115.5 U116.11
/TOP_CTR_1/SW5_2V5: U115.11 U117.12
/TX_H2/LPF30/IN: C223.1 C241.1 R217.2
/TX_H2/LPF145/IN: C192.1 R155.2
/TX_H2/LPF145/OUT: R156.1 U94.10
/TX_H2/LPF435/IN: C240.1 R157.1
/TX_H2/LPF435/OUT: R158.1 U94.11
/TX_H2/LPF1280/IN: C357.1 R245.2
/TX_H2/LPF1280/OUT: R246.1 U94.9
/TX_H2/LPF2400/IN: R151.2 R222.2
/TX_H2/LPF2400/OUT: R152.1 U94.1
/TX_H2/LPF3500/IN: C296.1 R153.1
/TX_H2/LPF3500/OUT: R154.1 U94.3
/TX_H2/PA1_EN_2V5: U75.3 U77.4
/TX_H2/PA1_EN_5V: R160.2 R219.2 U77.20 U106.3 U120.3 U121.5
/TX_H2/PA2_EN_2V5: U75.4 U77.5
/TX_H2/PA2_EN_5V: R164.2 U77.19 U122.3
/TX_H2/PA3_EN_2V5: U75.5 U77.6
/TX_H2/PA3_EN_5V: R169.2 U51.3 U77.18
/TX_H2/PA4_EN_2V5: U75.6 U77.7
/TX_H2/PA4_EN_5V: R195.2 U53.3 U77.17
/TX_H2/PA5_EN_2V5: U78.7 U92.10
/TX_H2/PA5_EN_5V: R200.2 U54.3 U78.17
/TX_H2/PA6_EN_2V5: U78.8 U92.11
/TX_H2/PA6_EN_5V: R201.2 U55.3 U78.16
/TX_H2/PA7_EN_2V5: U78.9 U92.12
/TX_H2/PA7_EN_5V: R202.2 U50.3 U78.15
/TX_H2/PA8_EN_2V5: U78.10 U92.13
/TX_H2/PA8_EN_5V: R203.2 U56.3 U78.14
/TX_H2/PA30/RF_IN: C309.1 R207.2 R208.2
/TX_H2/PA145/RF_IN: C175.2 R320.1
/TX_H2/PA435/RF_IN: C206.2 R295.1
/TX_H2/PA1000/RF_IN: C174.2 C230.1
/TX_H2/PA1000/RF_OUT: C205.1 U94.12
/TX_H2/PA1280/RF_IN: C349.2 U93.2
/TX_H2/PA2400/RF_IN: R220.2 U93.10
/TX_H2/PA2400/VREF: C328.1 C329.1 C333.1 C334.1 U106.5 U113.1
/TX_H2/PA3500/RF_IN: C231.2 U93.3
/TX_H2/PA4000/RF_IN: R248.1 R332.2 U93.9
/TX_H2/PA4000/RF_OUT: R255.1 R256.1 U94.2
/TX_H2/PDRIV30/RF_IN: C272.2 U91.12
/TX_H2/PDRIV145/RF_IN: R303.1 U91.9
/TX_H2/PDRIV435/RF_IN: R278.1 U91.4
/TX_H2/PDRIV1000/PRED_VDD: C267.2 R149.2 R205.1 U80.1
/TX_H2/PDRIV1000/RF_IN: C227.2 U91.2
/TX_H2/PDRIV_1_EN_2V5: U78.3 U92.6
/TX_H2/PDRIV_1_EN_5V: R196.2 U78.21 U80.3
/TX_H2/PDRIV_2_EN_2V5: U78.4 U92.5
/TX_H2/PDRIV_2_EN_5V: R197.2 U78.20 U98.3
/TX_H2/PDRIV_3_EN_2V5: U78.5 U92.4
/TX_H2/PDRIV_3_EN_5V: R198.2 U78.19 U100.3
/TX_H2/PDRIV_4_EN_2V5: U78.6 U92.3
/TX_H2/PDRIV_4_EN_5V: R199.2 U78.18 U83.3
/TX_H2/PDRIV_H_EN_2V5: U75.12 U77.3
/TX_H2/PDRIV_H_EN_5V: R159.2 U77.21 U102.3
/TX_H2/PREDRIVER_H/PRED_VDD: C273.2 R148.2 R204.1 U102.1
/TX_H2/PREDRIVER_H/RF_OUT: C310.2 U93.13
/TX_H2/RF_30MHz_OUT: R8.2 R218.1
/TX_H2/RF_H_IN: C268.1 U5.5
/TX_H2/RF_L_IN: C265.1 U91.16
/TX_H2/RF_OUT: R7.2 U94.13
/TX_H2/SW_IN_H_V2_2V5: U90.3 U93.6
/TX_H2/SW_IN_H_V3_2V5: U90.4 U93.5
/TX_H2/SW_IN_L_V1_2V5: U89.3 U91.1
/TX_H2/SW_IN_L_V2_2V5: U89.4 U91.6
/TX_H2/SW_IN_L_V3_2V5: U89.5 U91.7
/TX_H2/SW_IN_L_V4_2V5: U89.12 U91.14
/TX_H2/SW_OUT_V1_2V5: U90.12 U94.7
/TX_H2/SW_OUT_V2_2V5: U90.11 U94.6
/TX_H2/SW_OUT_V3_2V5: U90.10 U94.5
/USB_DM: R39.2 U13.16
/USB_DP: R40.2 U13.15
VCOM: C32.1 C35.1 C37.1 C39.1 C41.1 C43.1 C45.1 C47.1 C48.1 C51.1 J15.2 J16.2 J16.4 J16.6 J16.8 U27.9 U28.9
Net-(C1-Pad1): C1.1 R3.2 U1.2
Net-(C2-Pad1): C2.1 U2.5
Net-(C2-Pad2): C2.2 J2.1
Net-(C3-Pad1): C3.1 U3.5
Net-(C3-Pad2): C3.2 U1.7
Net-(C4-Pad1): C4.1 U5.2
Net-(C4-Pad2): C4.2 U2.3
Net-(C5-Pad1): C5.1 U4.13
Net-(C5-Pad2): C5.2 U3.3
Net-(C6-Pad1): C6.1 TRANS_VIA#8.1 U9.2
Net-(C6-Pad2): C6.2 U8.3
Net-(C9-Pad2): C9.2 U12.20
Net-(C12-Pad2): C12.2 U13.2
Net-(C14-Pad1): C14.1 U13.17
Net-(C17-Pad1): C17.1 U19.9
Net-(C18-Pad1): C18.1 FB1.2 U17.1 U17.3
Net-(C21-Pad2): C21.2 R27.2 U17.5
Net-(C24-Pad1): C24.1 U21.9
Net-(C26-Pad2): C26.2 L2.1 R32.1 R36.2 R37.2 U21.6
Net-(C27-Pad1): C27.1 CON1.1 FB3.1 U22.5
Net-(C31-Pad1): C31.1 CON1.6 R41.1
Net-(C52-Pad1): C52.1 R67.2 R70.1 R73.1
Net-(C53-Pad1): C53.1 R68.2 R71.1 R74.1
Net-(C54-Pad1): C54.1 R69.2 R72.1 R75.1
Net-(C55-Pad1): C55.1 C58.1 R73.2
Net-(C56-Pad1): C56.1 C59.1 R74.2
Net-(C57-Pad1): C57.1 C60.1 R75.2
Net-(C58-Pad2): C58.2 U30.3
Net-(C59-Pad2): C59.2 U29.1
Net-(C60-Pad2): C60.2 U29.3
Net-(C61-Pad1): C61.1 U29.5
Net-(C61-Pad2): C61.2 C63.1 R76.1
Net-(C62-Pad1): C62.1 U30.5
Net-(C62-Pad2): C62.2 C65.1 R77.1
Net-(C63-Pad2): C63.2 IC1.2
Net-(C64-Pad2): C64.2 IC1.3
Net-(C65-Pad2): C65.2 IC2.2
Net-(C66-Pad2): C66.2 IC2.3
Net-(C67-Pad2): C67.2 IC1.14
Net-(C68-Pad2): C68.2 IC2.14
Net-(C73-Pad2): C73.2 U45.2
Net-(C76-Pad1): C76.1 L4.2 U45.7
Net-(C77-Pad1): C77.1 C78.1 C79.1 FB4.2 U46.4
Net-(C82-Pad1): C82.1 C83.1 C84.1 FB5.2 U46.11
Net-(C85-Pad1): C85.1 C86.1 C87.1 FB6.2 U48.4
Net-(C90-Pad1): C90.1 C91.1 C92.1 FB7.2 U48.11
Net-(C93-Pad1): C93.1 U50.4
Net-(C94-Pad1): C94.1 U51.4
Net-(C96-Pad1): C96.1 U53.4
Net-(C97-Pad1): C97.1 U54.4
Net-(C98-Pad1): C98.1 U55.4
Net-(C99-Pad1): C99.1 U56.4
Net-(C101-Pad1): C101.1 U80.4
Net-(C102-Pad1): C102.1 U83.4
Net-(C103-Pad1): C103.1 C198.1 U52.5 U130.3
Net-(C104-Pad1): C104.1 U98.4
Net-(C105-Pad1): C105.1 U100.4
Net-(C106-Pad1): C106.1 U102.4
Net-(C107-Pad1): C107.1 C291.1 C292.1 C297.1 L68.1 R103.2 U51.6
Net-(C108-Pad1): C108.1 R113.2 R114.1 R115.2
Net-(C109-Pad1): C109.1 R116.2 R117.1 R118.2
Net-(C110-Pad1): C22.1 C110.1 R28.2 R171.2 U18.1 U112.1
Net-(C112-Pad2): C112.2 U57.1
Net-(C114-Pad1): C114.1 C115.1 C287.1 C288.1 L5.1 U105.1 U105.2
Net-(C116-Pad1): C116.1 L5.2 U57.3
Net-(C117-Pad2): C117.2 TRANS_VIA#14.1 U3.1
Net-(C118-Pad1): C118.1 U58.9
Net-(C118-Pad2): C118.2 U59.4
Net-(C119-Pad1): C119.1 U59.16
Net-(C119-Pad2): C119.2 U61.6
Net-(C120-Pad1): C120.1 U63.3
Net-(C120-Pad2): C120.2 U61.3
Net-(C122-Pad1): C122.1 U66.1
Net-(C122-Pad2): C122.2 R119.1 R120.2
Net-(C123-Pad1): C123.1 FB8.2 U65.1 U65.2
Net-(C124-Pad2): C124.2 C125.2 L6.1 R121.1
Net-(C126-Pad1): C126.1 R124.2 R125.2
Net-(C126-Pad2): C126.2 L7.2 U66.3
Net-(C127-Pad1): C127.1 L9.2
Net-(C128-Pad1): C128.1 C130.2 L10.1 L11.1 L12.2
Net-(C128-Pad2): C128.2 L8.1 L10.2 R126.1
Net-(C129-Pad1): C129.1 L11.2
Net-(C130-Pad1): C130.1 C132.2 L12.1 L13.1 L14.2
Net-(C131-Pad1): C131.1 L13.2
Net-(C132-Pad1): C132.1 C134.2 L14.1 L15.1
Net-(C133-Pad1): C133.1 L16.2
Net-(C134-Pad1): C134.1 C136.2 L18.1
Net-(C135-Pad1): C135.1 L19.2
Net-(C136-Pad1): C136.1 C138.2 L21.1
Net-(C137-Pad1): C137.1 L22.2
Net-(C138-Pad1): C138.1 C140.2 L24.1
Net-(C139-Pad1): C139.1 L25.2
Net-(C140-Pad1): C140.1 R127.2
Net-(C141-Pad1): C141.1 C142.2 L27.2 R128.2
Net-(C142-Pad1): C142.1 C143.1 C144.2 L27.1 L28.2
Net-(C144-Pad1): C144.1 C145.1 C146.2 L29.1 L30.2
Net-(C146-Pad1): C146.1 C147.1 L31.1 R129.1
Net-(C148-Pad1): C148.1 L32.2
Net-(C148-Pad2): C148.2 R130.2
Net-(C149-Pad1): C149.1 L34.2
Net-(C150-Pad1): C150.1 L35.2
Net-(C151-Pad1): C151.1 L36.2
Net-(C151-Pad2): C151.2 L32.1 L33.1 L35.1
Net-(C152-Pad1): C152.1 C153.2 L37.1 L38.2 R132.2
Net-(C153-Pad1): C153.1 C154.2 L39.1 L40.2
Net-(C154-Pad1): C154.1 C155.1 L40.1 L41.1 R133.1
Net-(C156-Pad2): C156.2 U67.10
Net-(C157-Pad1): C157.1 U67.13
Net-(C159-Pad1): C159.1 U74.1
Net-(C160-Pad1): C160.1 FB9.2 U73.1 U73.2
Net-(C161-Pad2): C161.2 C162.2 L42.1 R142.1
Net-(C164-Pad1): C164.1 C165.2 L44.2 R155.1
Net-(C165-Pad1): C165.1 C166.1 C167.2 L44.1 L45.2
Net-(C167-Pad1): C167.1 C168.1 L46.1 R156.2
Net-(C169-Pad1): C169.1 C170.2 L47.2 R157.2
Net-(C170-Pad1): C170.1 C171.1 C172.2 L47.1 L48.2
Net-(C172-Pad1): C172.1 C173.1 L48.1 R158.2
Net-(C174-Pad1): C174.1 R215.1 U101.1
Net-(C175-Pad1): C175.1 C176.1 L49.2
Net-(C177-Pad2): C177.2 R161.2 R162.1
Net-(C178-Pad1): C178.1 C179.2 L49.1
Net-(C179-Pad1): C179.1 C183.2 L50.2 R165.2
Net-(C180-Pad1): C180.1 D15.2 D19.2
Net-(C181-Pad1): C181.1 C182.2 L50.1 R162.2 R163.2
Net-(C183-Pad1): C183.1 R165.1 U97.1
Net-(C184-Pad1): C184.1 D15.1 R166.1 R264.2
Net-(C185-Pad2): C185.2 C186.1 J24.1 L51.1 R167.1
